# Allegro board meta_module_lay_rev1.brd (continued)
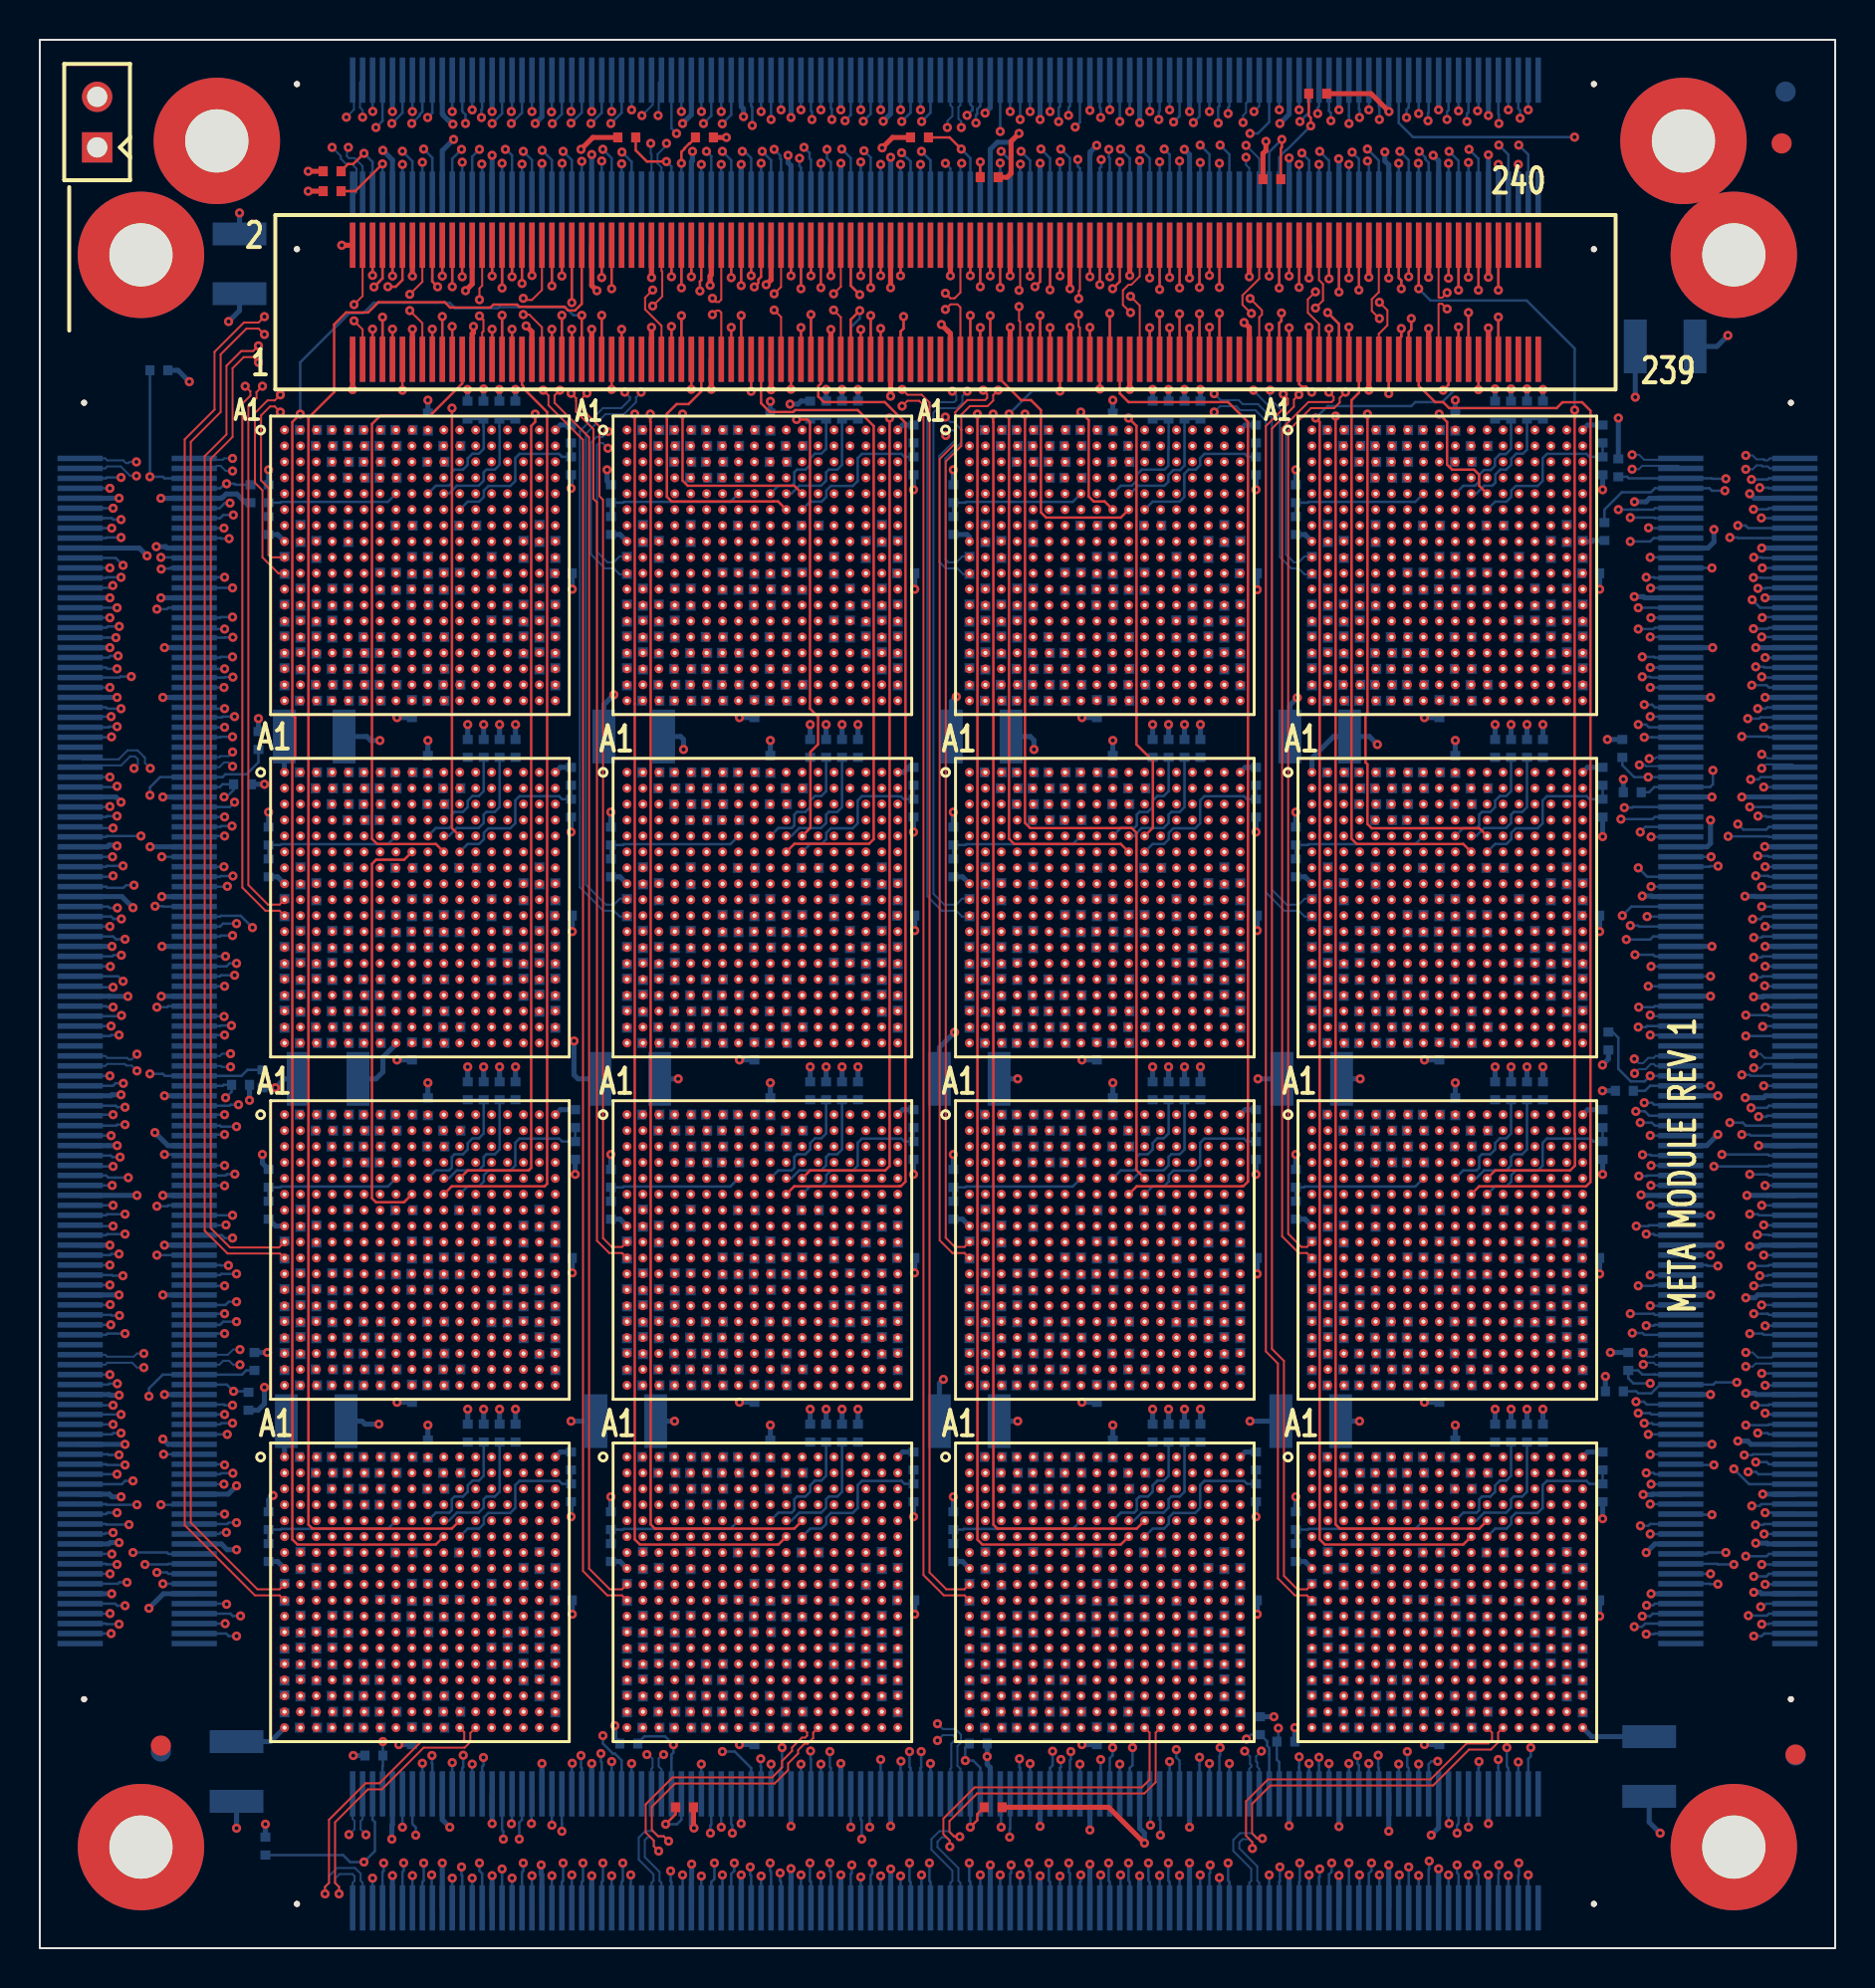
[diagram p0: board, top side]
## Routing (per net, layer and track width the routed paths; a pad name or vN(x,y) marks a point on that pad's centre or on a via; arc(x,y) is an arc through that point) (continued)
SN_WAIT_RD_P0_SNOW4-1: length 8.9
  SIGNAL_L9 w0.083: U4.B12 21.47,58.66 21.47,59.24 21.88,59.65 21.88,61.88 21.5,62.26 21.5,63.61 21.23,63.88 19.09,63.88 U3.U9
SN_WAIT_RD_P0_SNOW4-2: length 8.9
  SIGNAL_L9 w0.083: U8.B12 55.87,58.66 55.87,59.24 56.28,59.65 56.28,61.88 55.9,62.26 55.9,63.61 55.63,63.88 53.49,63.88 U7.U9
SN_WAIT_RD_P0_SNOW4-3: length 8.9
  SIGNAL_L9 w0.083: U11.U9 19.09,29.48 21.23,29.48 21.5,29.21 21.5,27.86 21.88,27.48 21.88,25.25 21.47,24.84 21.47,24.26 U12.B12
SN_WAIT_RD_P0_SNOW4-4: length 8.9
  SIGNAL_L9 w0.083: U16.B12 55.87,24.26 55.87,24.84 56.28,25.25 56.28,27.48 55.9,27.86 55.9,29.21 55.63,29.48 53.49,29.48 U15.U9
SN_WAIT_RD_P1: length 8.9
  SIGNAL_L9 w0.083: U2.U9 36.29,46.68 38.43,46.68 38.7,46.41 38.7,45.06 39.08,44.68 39.08,42.45 38.67,42.04 38.67,41.46 U9.B12
SN_WAIT_RD_P1_SNOW4-1: length 8.9
  SIGNAL_L9 w0.083: U1.U9 36.29,63.88 38.43,63.88 38.7,63.61 38.7,62.26 39.08,61.88 39.08,59.65 38.67,59.24 38.67,58.66 U2.B12
SN_WAIT_RD_P1_SNOW4-2: length 8.9
  SIGNAL_L9 w0.083: U5.U9 70.69,63.88 72.83,63.88 73.1,63.61 73.1,62.26 73.48,61.88 73.48,59.65 73.07,59.24 73.07,58.66 U6.B12
SN_WAIT_RD_P1_SNOW4-3: length 8.9
  SIGNAL_L9 w0.083: U10.B12 38.67,24.26 38.67,24.84 39.08,25.25 39.08,27.48 38.7,27.86 38.7,29.21 38.43,29.48 36.29,29.48 U9.U9
SN_WAIT_RD_P1_SNOW4-4: length 8.9
  SIGNAL_L9 w0.083: U13.U9 70.69,29.48 72.83,29.48 73.1,29.21 73.1,27.86 73.48,27.48 73.48,25.25 73.07,24.84 73.07,24.26 U14.B12
SN_WAIT_RD_P2: length 8.9
  SIGNAL_L9 w0.083: U8.U9 53.49,46.68 55.63,46.68 55.9,46.41 55.9,45.06 56.28,44.68 56.28,42.45 55.87,42.04 55.87,41.46 U15.B12
SN_WAIT_RD_P3: length 8.9
  SIGNAL_L9 w0.083: U6.U9 70.69,46.68 72.83,46.68 73.1,46.41 73.1,45.06 73.48,44.68 73.48,42.45 73.07,42.04 73.07,41.46 U13.B12
SN_WAIT_WR_N0: length 14.1
  SIGNAL_L9 w0.083: U4.T9 19.09,47.48 22.03,47.48 22.27,47.24 22.27,45.09 22.68,44.68 22.68,42.45 22.27,42.04 22.27,40.92 22.05,40.7 21.97,40.7 21.97,40.69 20.89,40.69 20.69,40.49 20.69,40.14 20.43,39.88 19.89,39.88 U11.C10
SN_WAIT_WR_N0_SNOW4-1: length 14.1
  SIGNAL_L9 w0.083: U3.T9 19.09,64.68 22.03,64.68 22.27,64.44 22.27,62.29 22.68,61.88 22.68,59.65 22.27,59.24 22.27,58.12 22.05,57.9 21.97,57.9 21.97,57.89 20.89,57.89 20.69,57.69 20.69,57.34 20.43,57.08 19.89,57.08 U4.C10
SN_WAIT_WR_N0_SNOW4-2: length 14.1
  SIGNAL_L9 w0.083: U8.C10 54.29,57.08 54.83,57.08 55.09,57.34 55.09,57.69 55.29,57.89 56.37,57.89 56.37,57.9 56.45,57.9 56.67,58.12 56.67,59.24 57.08,59.65 57.08,61.88 56.67,62.29 56.67,64.44 56.43,64.68 53.49,64.68 U7.T9
SN_WAIT_WR_N0_SNOW4-3: length 14.1
  SIGNAL_L9 w0.083: U11.T9 19.09,30.28 22.03,30.28 22.27,30.04 22.27,27.89 22.68,27.48 22.68,25.25 22.27,24.84 22.27,23.72 22.05,23.5 21.97,23.5 21.97,23.49 20.89,23.49 20.69,23.29 20.69,22.94 20.43,22.68 19.89,22.68 U12.C10
SN_WAIT_WR_N0_SNOW4-4: length 14.1
  SIGNAL_L9 w0.083: U15.T9 53.49,30.28 56.43,30.28 56.67,30.04 56.67,27.89 57.08,27.48 57.08,25.25 56.67,24.84 56.67,23.72 56.45,23.5 56.37,23.5 56.37,23.49 55.29,23.49 55.09,23.29 55.09,22.94 54.83,22.68 54.29,22.68 U16.C10
SN_WAIT_WR_N1: length 14.1
  SIGNAL_L9 w0.083: U2.T9 36.29,47.48 39.23,47.48 39.47,47.24 39.47,45.09 39.88,44.68 39.88,42.45 39.47,42.04 39.47,40.92 39.25,40.7 39.17,40.7 39.17,40.69 38.09,40.69 37.89,40.49 37.89,40.14 37.63,39.88 37.09,39.88 U9.C10
SN_WAIT_WR_N1_SNOW4-1: length 14.1
  SIGNAL_L9 w0.083: U2.C10 37.09,57.08 37.63,57.08 37.89,57.34 37.89,57.69 38.09,57.89 39.17,57.89 39.17,57.9 39.25,57.9 39.47,58.12 39.47,59.24 39.88,59.65 39.88,61.88 39.47,62.29 39.47,64.44 39.23,64.68 36.29,64.68 U1.T9
SN_WAIT_WR_N1_SNOW4-2: length 14.1
  SIGNAL_L9 w0.083: U6.C10 71.49,57.08 72.03,57.08 72.29,57.34 72.29,57.69 72.49,57.89 73.57,57.89 73.57,57.9 73.65,57.9 73.87,58.12 73.87,59.24 74.28,59.65 74.28,61.88 73.87,62.29 73.87,64.44 73.63,64.68 70.69,64.68 U5.T9
SN_WAIT_WR_N1_SNOW4-3: length 14.1
  SIGNAL_L9 w0.083: U9.T9 36.29,30.28 39.23,30.28 39.47,30.04 39.47,27.89 39.88,27.48 39.88,25.25 39.47,24.84 39.47,23.72 39.25,23.5 39.17,23.5 39.17,23.49 38.09,23.49 37.89,23.29 37.89,22.94 37.63,22.68 37.09,22.68 U10.C10
SN_WAIT_WR_N1_SNOW4-4: length 14.1
  SIGNAL_L9 w0.083: U14.C10 71.49,22.68 72.03,22.68 72.29,22.94 72.29,23.29 72.49,23.49 73.57,23.49 73.57,23.5 73.65,23.5 73.87,23.72 73.87,24.84 74.28,25.25 74.28,27.48 73.87,27.89 73.87,30.04 73.63,30.28 70.69,30.28 U13.T9
SN_WAIT_WR_N2: length 14.1
  SIGNAL_L9 w0.083: U15.C10 54.29,39.88 54.83,39.88 55.09,40.14 55.09,40.49 55.29,40.69 56.37,40.69 56.37,40.7 56.45,40.7 56.67,40.92 56.67,42.04 57.08,42.45 57.08,44.68 56.67,45.09 56.67,47.24 56.43,47.48 53.49,47.48 U8.T9
SN_WAIT_WR_N3: length 14.1
  SIGNAL_L9 w0.083: U6.T9 70.69,47.48 73.63,47.48 73.87,47.24 73.87,45.09 74.28,44.68 74.28,42.45 73.87,42.04 73.87,40.92 73.65,40.7 73.57,40.7 73.57,40.69 72.49,40.69 72.29,40.49 72.29,40.14 72.03,39.88 71.49,39.88 U13.C10
SN_WAIT_WR_P0: length 8
  SIGNAL_L9 w0.083: U4.T8 18.29,46.68 18.29,46.14 18.55,45.88 18.83,45.88 19.09,45.62 19.09,44.68 19.89,43.88 19.89,40.68 U11.C11
SN_WAIT_WR_P0_SNOW4-1: length 8
  SIGNAL_L9 w0.083: U3.T8 18.29,63.88 18.29,63.34 18.55,63.08 18.83,63.08 19.09,62.82 19.09,61.88 19.89,61.08 19.89,57.88 U4.C11
SN_WAIT_WR_P0_SNOW4-2: length 8
  SIGNAL_L9 w0.083: U8.C11 54.29,57.88 54.29,61.08 53.49,61.88 53.49,62.82 53.23,63.08 52.95,63.08 52.69,63.34 52.69,63.88 U7.T8
SN_WAIT_WR_P0_SNOW4-3: length 8
  SIGNAL_L9 w0.083: U12.C11 19.89,23.48 19.89,26.68 19.09,27.48 19.09,28.42 18.83,28.68 18.55,28.68 18.29,28.94 18.29,29.48 U11.T8
SN_WAIT_WR_P0_SNOW4-4: length 8
  SIGNAL_L9 w0.083: U15.T8 52.69,29.48 52.69,28.94 52.95,28.68 53.23,28.68 53.49,28.42 53.49,27.48 54.29,26.68 54.29,23.48 U16.C11
SN_WAIT_WR_P1: length 8
  SIGNAL_L9 w0.083: U9.C11 37.09,40.68 37.09,43.88 36.29,44.68 36.29,45.62 36.03,45.88 35.75,45.88 35.49,46.14 35.49,46.68 U2.T8
SN_WAIT_WR_P1_SNOW4-1: length 8
  SIGNAL_L9 w0.083: U2.C11 37.09,57.88 37.09,61.08 36.29,61.88 36.29,62.82 36.03,63.08 35.75,63.08 35.49,63.34 35.49,63.88 U1.T8
SN_WAIT_WR_P1_SNOW4-2: length 7.8
  SIGNAL_L9 w0.083: U5.T8 69.89,63.88 69.89,62.27 70.48,61.68 70.48,60.69 71.49,59.68 71.49,57.88 U6.C11
SN_WAIT_WR_P1_SNOW4-3: length 8
  SIGNAL_L9 w0.083: U10.C11 37.09,23.48 37.09,26.68 36.29,27.48 36.29,28.42 36.03,28.68 35.75,28.68 35.49,28.94 35.49,29.48 U9.T8
SN_WAIT_WR_P1_SNOW4-4: length 8
  SIGNAL_L9 w0.083: U13.T8 69.89,29.48 69.89,28.94 70.15,28.68 70.43,28.68 70.69,28.42 70.69,27.48 71.49,26.68 71.49,23.48 U14.C11
SN_WAIT_WR_P2: length 8
  SIGNAL_L9 w0.083: U15.C11 54.29,40.68 54.29,43.88 53.49,44.68 53.49,45.62 53.23,45.88 52.95,45.88 52.69,46.14 52.69,46.68 U8.T8
SN_WAIT_WR_P3: length 8
  SIGNAL_L9 w0.083: U13.C11 71.49,40.68 71.49,43.88 70.69,44.68 70.69,45.62 70.43,45.88 70.15,45.88 69.89,46.14 69.89,46.68 U6.T8
SO_DATA_IN_N0: length 9.8
  SIGNAL_L3 w0.083: v1(20.71,9.32) 20.45,9.06 20.45,9.05 20.29,8.89 15.47,8.89 13.89,10.47 U12.V3
  BOTTOM w0.127: v1(20.71,9.32) J5.21
SO_DATA_IN_N1: length 10.9
  SIGNAL_L3 w0.083: v1(21.72,9.25) 21.72,9.79 21.21,10.3 19.26,10.3 18.88,10.68 17.95,10.68 17.61,10.33 17.61,10.31 17.6,10.3 17.6,10.23 17.38,10.01 17.08,10.01 16.4,10.68 15.28,10.68 15.08,10.88 15.08,11.49 U12.U4
  BOTTOM w0.127: v1(21.72,9.25) 21.72,7.75
SO_DATA_IN_N2: length 16.1
  SIGNAL_L3 w0.083: U12.T5 15.68,12.68 16.1,12.26 19.65,12.26 19.91,12 19.91,11.65 20.1,11.46 22.05,11.46 22.31,11.2 22.31,10.65 23.28,9.68 v1(23.28,5.48)
  BOTTOM w0.127: J5.31 23.22,5.94 23.28,5.87 v1(23.28,5.48)
SO_DATA_IN_N3: length 18
  SIGNAL_L3 w0.083: v1(24.08,5.48) 24.08,10.68 23.88,10.88 23.88,12.08 23.7,12.26 23.37,12.26 23.11,12.52 23.11,12.94 22.97,13.08 22.48,13.08 22.28,13.28 22.28,13.63 22.03,13.88 16.69,13.88 U12.R6
  BOTTOM w0.127: v1(24.08,5.48) 24.08,6.32 24.22,6.45 J5.35
SO_DATA_IN_N4: length 13.8
  SIGNAL_L6 w0.083: v1(25.72,6.18) 24.82,7.08 19.49,7.08 U12.V5
  BOTTOM w0.127: v1(25.72,6.18) J5.41
SO_DATA_IN_N5: length 14.3
  SIGNAL_L6 w0.083: U12.U6 16.68,11.49 16.68,10.15 18.05,8.78 26.23,8.78 v1(26.74,9.29)
  BOTTOM w0.127: v1(26.74,9.29) 26.72,9.27 J5.45
SO_DATA_IN_N6: length 14.8
  SIGNAL_L6 w0.083: U12.T7 17.49,12.28 18.08,12.28 18.31,12.05 18.31,11.72 18.57,11.46 22.85,11.46 23.08,11.23 23.08,10.68 23.69,10.07 27.89,10.07 v1(28.18,9.78)
  BOTTOM w0.127: J5.51 28.22,9.34 28.18,9.38 v1(28.18,9.78)
SO_DATA_IN_N7: length 15.5
  SIGNAL_L6 w0.083: U12.R8 18.29,13.08 22.88,13.08 23.11,12.85 23.11,12.52 23.37,12.26 23.65,12.26 23.91,12 23.91,11.72 24.17,11.46 24.45,11.46 24.68,11.23 24.68,10.88 24.88,10.68 v1(28.28,10.68)
  BOTTOM w0.127: J5.55 29.22,9.44 28.88,9.77 28.79,9.77 28.28,10.28 v1(28.28,10.68)
SO_DATA_IN_N8: length 8.3
  SIGNAL_L3 w0.083: v1(34.28,9.88) 33.18,9.88 32.66,9.36 31.18,9.36 30.96,9.58 30.96,10.41 31.09,10.54 U10.V3
  BOTTOM w0.127: J5.81 35.73,9.05 34.9,9.88 v1(34.28,9.88)
SO_DATA_IN_N9: length 8.2
  SIGNAL_L3 w0.083: v1(36.73,9.25) 36.73,10.03 36.08,10.68 32.48,10.68 32.28,10.88 32.28,11.49 U10.U4
  BOTTOM w0.127: v1(36.73,9.25) J5.85
SO_DATA_IN_N10: length 9.6
  SIGNAL_L3 w0.083: v1(38.23,9.25) 38.23,10.6 37.91,10.92 37.91,11.2 37.65,11.46 37.3,11.46 37.11,11.65 37.11,12 36.85,12.26 33.3,12.26 32.88,12.68 U10.T5
  BOTTOM w0.127: v1(38.23,9.25) J5.91
SO_DATA_IN_N11: length 12.2
  SIGNAL_L3 w0.083: U10.R6 33.89,13.88 39.23,13.88 39.48,13.63 39.48,12.88 39.47,12.87 39.47,10.92 39.23,10.68 v1(39.23,9.25)
  BOTTOM w0.127: v1(39.23,9.25) J5.95
SO_DATA_IN_N12: length 11.9
  SIGNAL_L6 w0.083: U10.V5 33.08,10.69 33.08,10.48 35.28,8.28 38.53,8.28 v1(40.73,6.08)
  BOTTOM w0.127: v1(40.73,6.08) J5.101
SO_DATA_IN_N13: length 12.7
  SIGNAL_L6 w0.083: U10.U6 33.88,11.49 33.88,10.83 36.03,8.68 39.08,8.68 v1(41.68,6.08)
  BOTTOM w0.127: J5.105 41.68,7.7 v1(41.68,6.08)
SO_DATA_IN_N14: length 12.4
  SIGNAL_L6 w0.083: v1(43.25,9.4) 42.66,9.98 41.18,9.98 40.28,10.88 40.28,11.23 40.05,11.46 35.77,11.46 35.51,11.72 35.51,12.05 35.28,12.28 34.69,12.28 U10.T7
  BOTTOM w0.127: v1(43.25,9.4) 43.23,9.38 43.23,7.75
SO_DATA_IN_N15: length 13.4
  SIGNAL_L6 w0.083: U10.R8 35.49,13.08 40.08,13.08 40.31,12.85 40.31,12.52 40.57,12.26 40.85,12.26 41.11,12 41.11,11.72 41.37,11.46 41.65,11.46 41.88,11.23 41.88,10.88 42.08,10.68 43.47,10.68 v1(44.27,9.88)
  BOTTOM w0.127: v1(44.27,9.88) 44.27,9.09 44.23,9.05 J5.115
SO_DATA_IN_N16: length 5.3
  SIGNAL_L3 w0.083: v1(50.86,9.9) 50.48,10.28 49.09,10.28 U16.V3
  BOTTOM w0.127: v1(50.86,9.9) 50.86,9.18 50.74,9.05 J5.141
SO_DATA_IN_N17: length 6
  SIGNAL_L3 w0.083: U16.U4 49.48,11.49 49.48,10.97 49.75,10.7 50.96,10.7 v1(51.78,9.88)
  BOTTOM w0.127: v1(51.78,9.88) 51.78,9.49 51.74,9.44 J5.145
SO_DATA_IN_N18: length 8.2
  SIGNAL_L3 w0.083: U16.T5 50.31,12.26 53.2,12.26 53.21,12.25 53.24,12.25 53.46,12.03 53.46,10.46 53.28,10.28 v1(53.28,9.48)
  BOTTOM w0.127: v1(53.28,9.48) 53.28,7.8 J5.151
SO_DATA_IN_N19: length 10.9
  SIGNAL_L3 w0.083: U16.R6 51.09,13.88 54.83,13.88 55.07,13.64 55.07,10.82 54.24,9.99 v1(54.24,9.25)
  BOTTOM w0.127: v1(54.24,9.25) J5.155
SO_DATA_IN_N20: length 10
  SIGNAL_L6 w0.083: U16.V5 49.89,10.27 53.98,6.18 v1(55.78,6.18)
  BOTTOM w0.127: v1(55.78,6.18) 55.78,7.72 J5.161
SO_DATA_IN_N21: length 9.1
  SIGNAL_L6 w0.083: U16.U6 50.69,11.62 51.08,11.23 51.08,10.88 51.34,10.62 52.5,10.62 52.84,10.28 53.13,10.28 53.75,9.67 56.45,9.67 v1(56.74,9.38)
  BOTTOM w0.127: v1(56.74,9.38) J5.165
SO_DATA_IN_N22: length 10.6
  SIGNAL_L6 w0.083: v1(58.25,9.59) 57.48,10.36 57.48,11.23 57.25,11.46 52.97,11.46 52.71,11.72 52.71,12.05 52.48,12.28 51.89,12.28 U16.T7
  BOTTOM w0.127: J5.171 58.24,9.2 58.25,9.2 v1(58.25,9.59)
SO_DATA_IN_N23: length 11.7
  SIGNAL_L6 w0.083: U16.R8 52.69,13.08 57.28,13.08 57.51,12.85 57.51,12.52 57.77,12.26 58.05,12.26 58.31,12 58.31,11.72 58.57,11.46 58.85,11.46 59.08,11.23 59.08,10.88 59.28,10.68 v1(59.28,10.08)
  BOTTOM w0.127: v1(59.28,10.08) 59.28,9.69 59.24,9.65 J5.175
SO_DATA_IN_N24: length 3.4
  SIGNAL_L3 w0.083: U14.V3 65.49,9.91 65.75,9.65 v1(65.75,9.28)
  BOTTOM w0.127: v1(65.75,9.28) J5.201
SO_DATA_IN_N25: length 4.3
  SIGNAL_L3 w0.083: U14.U4 66.68,11.49 66.68,9.72 66.75,9.65 v1(66.75,9.28)
  BOTTOM w0.127: v1(66.75,9.28) J5.205
SO_DATA_IN_N26: length 5.7
  SIGNAL_L3 w0.083: U14.T5 67.28,12.68 67.7,12.26 68.03,12.26 68.26,12.03 68.26,10.93 68.25,10.92 v1(68.25,9.25)
  BOTTOM w0.127: J5.211 v1(68.25,9.25)
SO_DATA_IN_N27: length 8.5
  SIGNAL_L3 w0.083: U14.R6 68.29,13.88 69.76,13.88 69.92,13.71 69.92,10.93 69.93,10.92 69.93,9.93 69.51,9.51 v1(69.25,9.25)
  BOTTOM w0.127: v1(69.25,9.25) 69.25,7.75
SO_DATA_IN_N28: length 8.1
  SIGNAL_L6 w0.083: U14.V5 67.8,10.37 67.8,8.86 70.41,6.26 v1(70.78,6.26)
  BOTTOM w0.127: v1(70.78,6.26) 70.75,6.29 J5.221
SO_DATA_IN_N29: length 9.7
  SIGNAL_L6 w0.083: U14.U6 68.28,11.49 68.28,10.88 69.38,9.78 70.48,9.78 71.75,8.51 v1(71.75,6.08)
  BOTTOM w0.127: v1(71.75,6.08) J5.225
SO_DATA_IN_N30: length 8.7
  SIGNAL_L6 w0.083: U14.T7 69.09,12.28 69.68,12.28 69.91,12.05 69.91,11.72 70.17,11.46 72.85,11.46 73.08,11.23 73.08,10.38 73.25,10.21 v1(73.25,9.48)
  BOTTOM w0.127: J5.231 73.25,9.05 73.25,9.06 v1(73.25,9.48)
SO_DATA_IN_N31: length 10.7
  SIGNAL_L6 w0.083: U14.R8 69.92,13.05 74.44,13.05 74.46,13.03 74.48,13.03 74.67,12.84 74.67,10.67 74.26,10.25 v1(74.26,9.36)
  BOTTOM w0.127: v1(74.26,9.36) J5.235
SO_DATA_IN_P0: length 11.7
  SIGNAL_L3 w0.083: v1(21.26,9.7) 20.41,9.7 20.03,10.08 19.38,10.08 18.91,9.61 17.13,9.61 16.45,10.28 14.88,10.28 14.31,10.85 14.31,11.25 14.08,11.48 13.49,11.48 U12.V2
  BOTTOM w0.127: J5.23 21.22,9.05 21.26,9.1 v1(21.26,9.7)
SO_DATA_IN_P1: length 11.9
  SIGNAL_L3 w0.083: v1(22.28,9.58) 21.16,10.7 19.33,10.7 19.11,10.92 19.11,11.2 18.83,11.48 16.08,11.48 15.88,11.68 15.88,12.08 15.69,12.27 14.28,12.27 U12.U3
  BOTTOM w0.127: J5.27 22.22,9.12 22.28,9.19 v1(22.28,9.58)
SO_DATA_IN_P2: length 16.5
  SIGNAL_L3 w0.083: v1(23.69,6.25) 23.69,10.27 23.08,10.88 23.08,11.28 22.86,11.5 22.53,11.5 22.31,11.72 22.31,12.05 22.1,12.26 21.77,12.26 21.51,12.52 21.51,12.84 21.28,13.07 15.08,13.07 U12.T4
  BOTTOM w0.127: J5.33 23.72,6.28 v1(23.69,6.25)
SO_DATA_IN_P3: length 19
  SIGNAL_L3 w0.083: v1(24.69,6.26) 24.69,6.63 24.68,6.64 24.68,12.08 24.48,12.28 24.15,12.28 23.91,12.52 23.91,12.85 23.7,13.06 23.37,13.06 23.11,13.32 23.11,13.6 22.85,13.86 22.5,13.86 22.27,14.09 22.27,14.44 22.03,14.68 16.08,14.68 15.88,14.48 15.88,13.87 U12.R5
  BOTTOM w0.127: J5.37 24.69,7.73 v1(24.69,6.26)
SO_DATA_IN_P4: length 15.9
  SIGNAL_L6 w0.083: v1(26.22,5.87) 25.96,5.61 24.85,5.61 24.58,5.88 21.88,5.88 21.08,6.68 19.09,6.68 16.15,9.62 16.15,9.83 15.51,10.48 15.29,10.48 U12.V4
  BOTTOM w0.127: v1(26.22,5.87) 26.22,6.27 26.22,6.27 J5.43
SO_DATA_IN_P5: length 15.3
  SIGNAL_L6 w0.083: v1(27.18,9.68) 23.08,9.68 22.48,10.28 18.88,10.28 18.28,10.88 18.28,11.28 18.08,11.48 16.95,11.48 16.71,11.72 16.71,12 16.45,12.26 15.87,12.26 U12.U5
  BOTTOM w0.127: v1(27.18,9.68) 27.18,9.09 27.22,9.05 J5.47
SO_DATA_IN_P6: length 16.7
  SIGNAL_L6 w0.083: v1(28.72,9.38) 28.72,9.85 28.29,10.28 24.28,10.28 23.88,10.68 23.88,11.23 23.65,11.46 23.37,11.46 23.11,11.72 23.11,12 22.83,12.28 18.55,12.28 18.31,12.52 18.31,12.8 18.04,13.07 16.68,13.07 U12.T6
  BOTTOM w0.127: v1(28.72,9.38) J5.53
SO_DATA_IN_P7: length 17.1
  SIGNAL_L6 w0.083: U12.R7 17.49,13.88 22.88,13.88 23.11,13.65 23.11,13.32 23.37,13.06 23.65,13.06 23.91,12.8 23.91,12.45 24.1,12.26 24.45,12.26 24.71,12 24.71,11.72 24.95,11.48 28.05,11.48 29.72,9.81 v1(29.72,9.28)
  BOTTOM w0.127: v1(29.72,9.28) J5.57
SO_DATA_IN_P8: length 8.8
  SIGNAL_L3 w0.083: v1(36.21,9.52) 35.3,9.52 34.34,10.48 32.23,10.48 32,10.71 31.74,10.71 31.52,10.93 31.52,10.94 31.51,10.95 31.51,11.25 31.28,11.48 30.69,11.48 U10.V2
  BOTTOM w0.127: J5.83 36.23,9.1 36.21,9.13 v1(36.21,9.52)
SO_DATA_IN_P9: length 10.4
  SIGNAL_L3 w0.083: v1(37.28,10.08) 37.28,10.75 37.07,10.96 37.07,11.24 36.83,11.48 33.28,11.48 33.08,11.68 33.08,12.08 32.89,12.27 31.48,12.27 U10.U3
  BOTTOM w0.127: J5.87 37.23,9.05 37.28,9.11 v1(37.28,10.08)
SO_DATA_IN_P10: length 12.2
  SIGNAL_L3 w0.083: v1(38.71,9.91) 38.71,12.84 38.48,13.07 32.28,13.07 U10.T4
  BOTTOM w0.127: J5.93 38.73,9.49 38.71,9.51 v1(38.71,9.91)
SO_DATA_IN_P11: length 15.3
  SIGNAL_L3 w0.083: v1(39.68,9.88) 40.31,10.51 40.31,13.6 40.05,13.86 39.7,13.86 39.47,14.09 39.47,14.44 39.23,14.68 33.28,14.68 33.08,14.48 33.08,13.87 U10.R5
  BOTTOM w0.127: J5.97 39.73,9.05 39.68,9.1 v1(39.68,9.88)
SO_DATA_IN_P12: length 14
  SIGNAL_L6 w0.083: U10.V4 32.89,10.08 33.03,10.08 35.45,7.65 38.11,7.65 40.28,5.48 v1(41.28,5.48)
  BOTTOM w0.127: v1(41.28,5.48) 41.28,6.4 41.23,6.45 J5.103
SO_DATA_IN_P13: length 13
  SIGNAL_L6 w0.083: U10.U5 33.07,12.26 33.65,12.26 33.91,12 33.91,11.72 34.15,11.48 35.28,11.48 35.48,11.28 35.48,10.88 35.68,10.68 39.78,10.68 40.98,9.48 v1(42.23,9.48)
  BOTTOM w0.127: v1(42.23,9.48) 42.23,7.75
SO_DATA_IN_P14: length 14.4
  SIGNAL_L6 w0.083: v1(43.68,9.88) 43.28,10.28 41.68,10.28 41.08,10.88 41.08,11.23 40.85,11.46 40.57,11.46 40.31,11.72 40.31,12 40.03,12.28 35.75,12.28 35.51,12.52 35.51,12.8 35.24,13.07 33.88,13.07 U10.T6
  BOTTOM w0.127: J5.113 43.73,9.05 43.68,9.11 v1(43.68,9.88)
SO_DATA_IN_P15: length 15.2
  SIGNAL_L6 w0.083: U10.R7 34.69,13.88 40.08,13.88 40.31,13.65 40.31,13.32 40.57,13.06 40.85,13.06 41.11,12.8 41.11,12.45 41.3,12.26 41.65,12.26 41.91,12 41.91,11.72 42.17,11.46 43.5,11.46 44.73,10.23 v1(44.73,9.28)
  BOTTOM w0.127: v1(44.73,9.28) J5.117
SO_DATA_IN_P16: length 7
  SIGNAL_L3 w0.083: v1(51.28,9.48) 51.28,10.03 50.84,10.47 49.16,10.47 48.71,10.92 48.71,11.25 48.48,11.48 47.89,11.48 U16.V2
  BOTTOM w0.127: v1(51.28,9.48) 51.28,9.1 51.24,9.05 J5.143
SO_DATA_IN_P17: length 8.6
  SIGNAL_L3 w0.083: v1(52.24,9.25) 52.73,9.74 52.73,10.39 52.5,10.62 52.18,10.62 51.88,10.91 51.88,11.23 51.63,11.48 50.48,11.48 50.28,11.68 50.28,12.03 50.04,12.27 48.68,12.27 U16.U3
  BOTTOM w0.127: v1(52.24,9.25) J5.147
SO_DATA_IN_P18: length 10.8
  SIGNAL_L3 w0.083: v1(53.88,10.08) 54.27,10.47 54.27,12.88 54.08,13.07 49.48,13.07 U16.T4
  BOTTOM w0.127: J5.153 53.74,9.55 53.88,9.69 v1(53.88,10.08)
SO_DATA_IN_P19: length 14.2
  SIGNAL_L3 w0.083: U16.R5 50.28,13.87 50.28,14.48 50.48,14.68 55.63,14.68 55.87,14.44 55.87,10.92 55.43,10.48 55.28,10.48 v1(54.88,10.08)
  BOTTOM w0.127: J5.157 54.74,9.05 54.88,9.19 v1(54.88,10.08)
SO_DATA_IN_P20: length 11.8
  SIGNAL_L6 w0.083: U16.V4 49.09,10.67 54.08,5.68 v1(56.28,5.68)
  BOTTOM w0.127: J5.163 56.24,6.45 56.28,6.41 v1(56.28,5.68)
SO_DATA_IN_P21: length 11.2
  SIGNAL_L6 w0.083: U16.U5 50.27,12.26 50.85,12.26 51.11,12 51.11,11.65 51.28,11.48 52.48,11.48 52.68,11.28 52.68,10.88 52.88,10.68 56.75,10.68 57.08,10.35 v1(57.08,9.98)
  BOTTOM w0.127: v1(57.08,9.98) 57.08,9.59 57.24,9.42 J5.167
SO_DATA_IN_P22: length 12.5
  SIGNAL_L6 w0.083: U16.T6 51.08,13.07 52.44,13.07 52.71,12.8 52.71,12.52 52.95,12.28 57.23,12.28 57.51,12 57.51,11.72 57.77,11.46 58.05,11.46 58.28,11.23 58.28,10.68 58.74,10.22 v1(58.74,9.28)
  BOTTOM w0.127: v1(58.74,9.28) J5.173
SO_DATA_IN_P23: length 13.8
  SIGNAL_L6 w0.083: v1(59.74,9.28) 59.74,10.07 59.88,10.21 59.88,11.28 59.7,11.46 59.37,11.46 59.11,11.72 59.11,12 58.85,12.26 58.5,12.26 58.31,12.45 58.31,12.8 58.05,13.06 57.77,13.06 57.51,13.32 57.51,13.65 57.28,13.88 51.89,13.88 U16.R7
  BOTTOM w0.127: v1(59.74,9.28) J5.177
SO_DATA_IN_P24: length 5.1
  SIGNAL_L3 w0.083: v1(66.18,9.68) 66.18,10.38 65.91,10.65 65.91,11.25 65.68,11.48 65.09,11.48 U14.V2
  BOTTOM w0.127: v1(66.18,9.68) 66.18,9.27 66.25,9.2 J5.203
SO_DATA_IN_P25: length 6.7
  SIGNAL_L3 w0.083: v1(67.22,9.69) 67.48,9.95 67.48,12.08 67.29,12.27 65.88,12.27 U14.U3
  BOTTOM w0.127: v1(67.22,9.69) 67.22,9.08 67.25,9.05 J5.207
SO_DATA_IN_P26: length 8.3
  SIGNAL_L3 w0.083: U14.T4 66.68,13.07 68.88,13.07 69.08,12.87 69.08,10.28 v1(68.68,9.88)
  BOTTOM w0.127: J5.213 68.75,9.05 68.68,9.13 v1(68.68,9.88)
SO_DATA_IN_P27: length 11.8
  SIGNAL_L3 w0.083: U14.R5 67.48,13.87 67.48,14.48 67.68,14.68 70.43,14.68 70.67,14.44 70.67,9.86 v1(70.21,9.39)
  BOTTOM w0.127: J5.217 69.75,9.25 69.89,9.39 v1(70.21,9.39)
SO_DATA_IN_P28: length 9.8
  SIGNAL_L6 w0.083: v1(71.18,5.78) 70.43,5.78 67.59,8.62 67.59,9.53 67.59,9.53 67.59,9.85 66.62,10.82 66.55,10.82 U14.V4
  BOTTOM w0.127: v1(71.18,5.78) 71.18,6.17 71.25,6.25 J5.223
SO_DATA_IN_P29: length 8.6
  SIGNAL_L6 w0.083: v1(72.28,9.38) 71.28,10.38 70.38,10.38 69.88,10.88 69.88,11.28 69.68,11.48 69.31,11.48 69.07,11.72 69.07,12.04 68.85,12.26 67.47,12.26 U14.U5
  BOTTOM w0.127: v1(72.28,9.38) 72.28,9.09 72.25,9.06 J5.227
SO_DATA_IN_P30: length 11.2
  SIGNAL_L6 w0.083: v1(73.68,10.08) 73.68,10.68 73.91,10.91 73.91,12 73.63,12.28 70.15,12.28 69.91,12.52 69.91,12.8 69.64,13.07 68.28,13.07 U14.T6
  BOTTOM w0.127: J5.233 73.75,9.05 73.68,9.13 v1(73.68,10.08)
SO_DATA_IN_P31: length 13
  SIGNAL_L6 w0.083: v1(74.88,10.08) 75.51,10.71 75.51,12.8 75.25,13.06 74.97,13.06 74.71,13.32 74.71,13.65 74.48,13.88 69.09,13.88 U14.R7
  BOTTOM w0.127: v1(74.88,10.08) 74.88,9.64 74.75,9.51 J5.237
SO_DATA_OUT_N0: length 13.5
  SIGNAL_L12 w0.083: v1(20.71,3.52) 20.71,4.45 19.88,5.28 19.88,8.88 20.07,9.07 20.07,10.49 19.88,10.68 19.88,13.59 20.14,13.85 20.72,13.85 U12.R12
  BOTTOM w0.127: v1(20.71,3.52) J5.22
SO_DATA_OUT_N1: length 12
  SIGNAL_L5 w0.083: U12.T13 21.48,12.27 21.48,10.68 20.22,9.42 20.22,5.82 21.71,4.33 21.71,4.13 21.72,4.12 v1(21.72,3.52)
  BOTTOM w0.127: v1(21.72,3.52) 21.72,2.03
SO_DATA_OUT_N2: length 12.6
  SIGNAL_L12 w0.083: U12.U14 22.29,12.28 21.68,12.28 21.48,12.08 21.48,10.88 22.08,10.28 22.21,10.28 22.65,9.83 22.65,7.25 22.28,6.88 22.28,4.92 v1(23.22,3.98)
  BOTTOM w0.127: v1(23.22,3.98) J5.32
SO_DATA_OUT_N3: length 9.6
  SIGNAL_L5 w0.083: v1(24.28,4.28) 24.28,4.88 24.49,5.09 24.49,5.87 24.28,6.08 24.28,8.48 23.49,9.27 U12.V15
  BOTTOM w0.127: J5.36 24.22,3.82 24.28,3.89 v1(24.28,4.28)
SO_DATA_OUT_N4: length 15
  SIGNAL_L9 w0.083: v1(25.72,3.64) 25.72,4.44 24.28,5.88 24.28,8.21 22.21,10.28 21.88,10.28 21.48,10.68 21.48,13.59 21.51,13.62 21.51,13.64 21.73,13.86 21.75,13.86 21.77,13.88 22.29,13.88 U12.R14
  BOTTOM w0.127: v1(25.72,3.64) J5.42
SO_DATA_OUT_N5: length 12.2
  SIGNAL_L5 w0.083: U12.T15 23.88,12.29 23.88,11.75 24.13,11.5 24.46,11.5 24.68,11.28 24.68,8.88 26.72,6.84 v1(26.72,3.68)
  BOTTOM w0.127: v1(26.72,3.68) J5.46
SO_DATA_OUT_N6: length 13.7
  SIGNAL_L9 w0.083: v1(28.28,4.28) 28.28,5.23 23.08,10.43 23.08,11.99 23.11,12.02 23.11,12.04 23.33,12.26 23.35,12.26 23.37,12.28 23.89,12.28 U12.U16
  BOTTOM w0.127: J5.52 28.22,3.33 28.28,3.39 v1(28.28,4.28)
SO_DATA_OUT_N7: length 10.8
  SIGNAL_L9 w0.083: v1(29.28,4.28) 29.28,5.87 25.3,9.86 25.3,9.86 25.09,10.07 U12.V17
  BOTTOM w0.127: J5.56 29.22,3.33 29.28,3.39 v1(29.28,4.28)
SO_DATA_OUT_N8: length 13.9
  SIGNAL_L12 w0.083: v1(35.68,4.08) 35.68,7.48 37.18,8.98 37.18,9.58 36.88,9.88 36.88,10.48 37.08,10.68 37.08,13.59 37.34,13.85 37.92,13.85 U10.R12
  BOTTOM w0.127: v1(35.68,4.08) 35.68,3.69 35.73,3.64 J5.82
SO_DATA_OUT_N9: length 11.7
  SIGNAL_L5 w0.083: U10.T13 38.68,12.27 38.68,10.69 37.1,9.1 37.1,8.7 36.68,8.28 v1(36.68,4.28)
  BOTTOM w0.127: J5.86 36.73,3.84 36.68,3.89 v1(36.68,4.28)
SO_DATA_OUT_N10: length 12
  SIGNAL_L12 w0.083: v1(38.23,3.68) 38.23,7.83 38.68,8.28 38.68,9.38 38.84,9.54 38.86,9.54 39.08,9.75 39.08,9.78 39.08,9.78 39.08,10.48 38.68,10.88 38.68,12.08 38.88,12.28 39.49,12.28 U10.U14
  BOTTOM w0.127: v1(38.23,3.68) J5.92
SO_DATA_OUT_N11: length 9.7
  SIGNAL_L5 w0.083: U10.V15 40.69,9.09 39.23,7.63 v1(39.23,3.67)
  BOTTOM w0.127: v1(39.23,3.67) J5.96
SO_DATA_OUT_N12: length 14.3
  SIGNAL_L9 w0.083: U10.R14 39.49,13.88 38.88,13.88 38.68,13.68 38.68,10.88 39.08,10.48 39.08,9.78 39.08,9.75 38.78,9.45 38.78,6.18 v1(40.78,4.18)
  BOTTOM w0.127: J5.102 40.73,3.74 40.78,3.79 v1(40.78,4.18)
SO_DATA_OUT_N13: length 11.6
  SIGNAL_L5 w0.083: U10.T15 41.08,12.29 41.08,11.75 41.33,11.5 41.66,11.5 41.86,11.3 41.86,8.3 42.08,8.08 42.08,5.28 41.81,5.01 v1(41.81,4.28)
  BOTTOM w0.127: J5.106 41.73,3.68 41.81,3.76 v1(41.81,4.28)
SO_DATA_OUT_N14: length 12.7
  SIGNAL_L9 w0.083: U10.U16 41.09,12.28 40.55,12.28 40.28,12.01 40.28,10.48 43.23,7.53 v1(43.23,3.63)
  BOTTOM w0.127: v1(43.23,3.63) 43.23,2.03
SO_DATA_OUT_N15: length 9.9
  SIGNAL_L9 w0.083: U10.V17 42.29,10.07 42.88,9.48 42.88,9.3 42.88,9.3 42.88,8.88 44.28,7.48 v1(44.28,3.68)
  BOTTOM w0.127: v1(44.28,3.68) 44.28,2.07 J5.116
SO_DATA_OUT_N16: length 14.7
  SIGNAL_L12 w0.083: U16.R12 55.12,13.85 54.54,13.85 54.28,13.59 54.28,10.88 53.85,10.45 53.65,10.45 52.68,9.48 52.68,8.68 50.68,6.68 v1(50.68,4.28)
  BOTTOM w0.127: v1(50.68,4.28) 50.68,3.38 50.74,3.33 J5.142
SO_DATA_OUT_N17: length 12.6
  SIGNAL_L5 w0.083: v1(51.68,4.28) 51.68,5.88 55.88,10.08 55.88,12.27 U16.T13
  BOTTOM w0.127: v1(51.68,4.28) 51.68,3.82 51.74,3.76 J5.146
SO_DATA_OUT_N18: length 12.6
  SIGNAL_L12 w0.083: v1(53.28,3.68) 53.28,7.08 55.88,9.68 55.88,12.08 56.08,12.28 56.69,12.28 U16.U14
  BOTTOM w0.127: v1(53.28,3.68) 53.28,2.07 J5.152
SO_DATA_OUT_N19: length 10.6
  SIGNAL_L5 w0.083: U16.V15 57.89,10.54 57.68,10.33 57.68,9.68 54.28,6.28 v1(54.28,3.68)
  BOTTOM w0.127: J5.156 54.28,2.07 v1(54.28,3.68)